# KiCad board 8851_HW-U1-VCU118_REV2-0_071417.kicad_pcb (continued)
## Routing (per net, layer and track width the routed paths; a pad name or vN(x,y) marks a point on that pad's centre or on a via; arc(x,y) is an arc through that point) (continued)
FMCP_HSPC_LA08_N: length 175.5
  TOP w0.102: J22.G13 v3(90.25,163.25) ; v2(123.26,71.7) 122.77,71.2
  16_SIG5 w0.075: v2(123.26,71.7) 123.26,71.38 123.19,71.3 122.89,71.3 122.69,71.1 122.69,70.36 122.93,70.12 134.34,70.12 134.68,70.47 134.68,83.31 134.66,83.32 134.66,84.74 134.68,84.76 134.68,86.17 134.7,86.19 134.7,88.16 134.74,88.2 134.74,88.22
  16_SIG5 w0.087: v3(90.25,163.25) 90.74,163.74 90.74,167.43 91.09,167.78 105.64,167.78 106.34,167.07 107.08,167.07 107.21,167.21 107.21,167.84 107.5,168.14 108.26,168.14 108.56,167.84 108.56,167.21 108.69,167.07 110.54,167.07 110.67,167.21 110.67,167.89 110.96,168.18 115.73,168.18 116.97,166.94 116.97,163.3 117.38,162.89 117.38,162.48 116.8,161.9 116.8,161.78 117.19,161.38 117.32,161.38 117.85,161.92 118.36,161.92 120.44,159.84 120.44,159.48 120.07,159.12 120.07,158.99 120.32,158.75 120.44,158.75 120.81,159.11 121.16,159.11 121.8,158.47 121.8,157.99 121.5,157.69 120.69,157.69 120.49,157.49 120.49,157.23 120.82,156.9 123,156.9 124.4,155.5 124.72,155.5 125.3,154.92 125.3,153.97 126.07,153.2 135.59,153.2 136.18,152.61 136.18,152.15 135.93,151.9 135.16,151.9 135.07,151.81 135.07,151.46 135.16,151.38 135.93,151.38 136.18,151.13 136.18,149.22 135.93,148.98 135.06,148.98 134.97,148.89 134.97,148.54 135.06,148.45 136.12,148.45 136.73,147.84 136.73,145.44 137.43,144.75 137.43,140.28 136.73,139.58 136.73,125.47 135.5,124.24 135.5,117.21 135.63,117.08 136.9,117.08 137.19,116.78 137.19,116.02 136.9,115.73 135.63,115.73 135.5,115.6 135.5,112.11 134.51,111.12 134.51,108.45 135.34,107.62 135.34,103.74 134.15,102.55 134.15,93.14 134.74,92.55 134.74,88.22
FMCP_HSPC_LA08_P: length 175.3
  TOP w0.102: v2(123.26,70.71) 122.77,70.22 ; J22.G12 v3(91.5,163.25)
  16_SIG5 w0.075: 134.46,88.22 134.46,88.2 134.5,88.16 134.5,86.27 134.49,86.25 134.49,84.84 134.47,84.82 134.47,83.24 134.49,83.22 134.49,70.55 134.26,70.32 123.01,70.32 122.89,70.44 122.89,71.02 122.97,71.11 123.19,71.11 123.26,71.03 v2(123.26,70.71)
  16_SIG5 w0.087: 134.46,88.22 134.46,92.44 133.87,93.03 133.87,102.66 135.07,103.86 135.07,107.5 134.24,108.34 134.24,111.23 135.23,112.22 135.23,115.71 135.52,116.01 136.78,116.01 136.91,116.14 136.91,116.67 136.78,116.8 135.52,116.8 135.23,117.09 135.23,124.35 136.46,125.58 136.46,139.7 137.15,140.39 137.15,144.64 136.46,145.33 136.46,147.73 136.01,148.18 134.95,148.18 134.7,148.42 134.7,149 134.95,149.25 135.81,149.25 135.9,149.34 135.9,151.01 135.81,151.1 135.05,151.1 134.8,151.35 134.8,151.93 135.05,152.18 135.81,152.18 135.9,152.26 135.9,152.5 135.47,152.93 125.96,152.93 125.03,153.86 125.03,154.81 124.61,155.23 124.29,155.23 122.89,156.62 120.7,156.62 120.21,157.11 120.21,157.6 120.58,157.97 121.39,157.97 121.53,158.1 121.53,158.36 121.05,158.84 120.92,158.84 120.56,158.47 120.2,158.47 119.8,158.88 119.8,159.23 120.16,159.6 120.16,159.72 118.24,161.64 117.97,161.64 117.43,161.11 117.08,161.11 116.52,161.66 116.52,162.01 117.1,162.59 117.1,162.78 116.7,163.18 116.7,166.83 115.62,167.91 111.08,167.91 110.95,167.78 110.95,167.09 110.65,166.8 108.57,166.8 108.28,167.09 108.28,167.73 108.15,167.86 107.62,167.86 107.49,167.73 107.49,167.09 107.19,166.8 106.23,166.8 105.53,167.5 91.2,167.5 91.01,167.31 91.01,163.63 90.86,163.47 90.86,162.72 90.97,162.6 91.33,162.6 91.5,162.78 v3(91.5,163.25)
FMCP_HSPC_LA09_N: length 169.3
  TOP w0.102: J22.D15 v3(87.75,159.5) ; v2(123.26,74.65) 122.77,74.16
  16_SIG5 w0.075: v2(123.26,74.65) 122.95,74.65 122.87,74.72 122.87,75.88 123.02,76.02 123.5,76.02 123.85,76.38 123.85,81.34 123.84,81.36 123.84,83.17 123.87,83.21 123.87,84.82 123.85,84.84 123.85,86.23 123.84,86.25 123.84,87.66 123.85,87.67 123.85,88.76 123.89,88.8 123.89,88.91
  16_SIG5 w0.087: v3(87.75,159.5) 88.14,159.5 88.29,159.65 88.29,159.82 88.12,159.99 86.3,159.99 86.01,159.7 86.01,152.17 86.1,152.09 86.39,152.09 86.47,152 86.47,151.82 86.39,151.74 86.1,151.74 86.01,151.65 86.01,151.19 86.3,150.9 86.43,150.9 87.03,151.5 87.38,151.5 87.72,151.15 87.72,150.8 87.12,150.2 87.12,150.08 88.67,148.53 96.09,148.53 96.58,148.04 96.58,144.75 97.12,144.2 102.95,144.2 103.22,143.93 103.22,142.43 103.47,142.18 110.67,142.18 110.92,141.93 110.92,141.44 110.67,141.19 104.66,141.19 104.58,141.1 104.58,140.84 104.66,140.75 111.27,140.75 111.35,140.84 111.35,141.93 111.6,142.18 112.28,142.18 112.55,141.9 112.55,138.68 114.17,137.05 114.17,136.57 113.93,136.32 113.21,136.32 113.12,136.24 113.12,135.97 113.21,135.89 113.93,135.89 114.17,135.64 114.17,134.23 116.48,131.92 116.67,131.92 117.48,132.73 117.84,132.73 118.28,132.29 118.28,131.82 117.52,131.06 117.52,130.88 118.4,130 118.4,128.22 118.58,128.05 118.75,128.05 118.95,128.25 118.95,133.73 119.2,133.97 119.71,133.97 120.03,133.66 120.03,133.25 120.11,133.16 120.55,133.16 120.8,132.91 120.8,132.51 120.55,132.26 120.11,132.26 120.03,132.17 120.03,132 120.11,131.91 120.55,131.91 120.8,131.66 120.8,131.26 120.55,131.01 120.11,131.01 120.03,130.92 120.03,130.75 120.11,130.66 120.55,130.66 120.8,130.41 120.8,130.01 120.55,129.76 120.11,129.76 120.03,129.67 120.03,129.5 120.11,129.41 120.55,129.41 120.8,129.16 120.8,128.76 120.55,128.51 120.11,128.51 120.03,128.42 120.03,127.29 119.78,127.04 119.51,127.04 119.42,126.96 119.42,126.78 119.51,126.69 119.78,126.69 120.03,126.44 120.03,126.04 119.78,125.79 119.51,125.79 119.42,125.71 119.42,125.53 119.51,125.44 119.78,125.44 120.03,125.19 120.03,124.79 119.78,124.54 119.51,124.54 119.42,124.46 119.42,124.28 119.51,124.19 119.78,124.19 120.03,123.94 120.03,123 120.38,122.64 120.38,105.55 121.24,104.69 121.24,103.7 120.87,103.33 120.63,103.33 120.43,103.14 120.43,102.57 120.78,102.23 120.78,101.27 120.04,100.53 120.04,99.71 119.5,99.17 119.5,98.64 119.64,98.51 120.06,98.51 120.62,99.07 121.13,99.07 121.75,98.45 121.75,96.89 121.45,96.59 120.21,96.59 120.08,96.46 120.08,95.97 120.21,95.84 121.35,95.84 121.64,95.55 121.64,94.79 121.35,94.49 120.21,94.49 120.08,94.36 120.08,94.07 120.41,93.75 120.78,93.75 121.25,93.27 121.25,92.13 123.89,89.49 123.89,88.91
FMCP_HSPC_LA09_P: length 169.9
  TOP w0.102: J22.D14 v3(89,159.5) ; 121.79,74.16 v2(122.28,74.65)
  TOP w0.15: v2(126.22,58.9) U1.AJ33
  16_SIG5 w0.075: v2(122.28,74.65) 122.6,74.65 122.68,74.72 122.68,75.96 122.94,76.22 123.42,76.22 123.66,76.46 123.66,81.26 123.64,81.28 123.64,83.25 123.68,83.29 123.68,84.74 123.66,84.75 123.66,86.15 123.64,86.17 123.64,87.74 123.66,87.76 123.66,88.86 123.62,88.9 123.62,88.91
  16_SIG5 w0.087: v3(89,159.5) 88.24,160.26 87.89,160.26 86.18,160.26 85.74,159.82 85.74,151.07 86.19,150.62 86.54,150.62 87.14,151.22 87.26,151.22 87.45,151.04 87.45,150.91 86.85,150.31 86.85,149.96 88.56,148.25 95.97,148.25 96.3,147.93 96.3,144.64 97.01,143.93 102.84,143.93 102.95,143.81 102.95,142.31 103.36,141.9 110.55,141.9 110.64,141.81 110.64,141.55 110.55,141.46 104.55,141.46 104.3,141.21 104.3,140.72 104.55,140.48 111.38,140.48 111.63,140.72 111.63,141.81 111.72,141.9 112.16,141.9 112.28,141.79 112.28,138.56 113.9,136.94 113.9,136.69 113.81,136.6 113.1,136.6 112.85,136.35 112.85,135.86 113.1,135.61 113.81,135.61 113.9,135.52 113.9,134.11 116.36,131.65 116.78,131.65 117.59,132.46 117.73,132.46 118.01,132.18 118.01,131.94 117.25,131.18 117.25,130.76 118.12,129.89 118.12,128.11 118.46,127.77 118.86,127.77 119.22,128.14 119.22,133.61 119.31,133.7 119.6,133.7 119.75,133.55 119.75,133.13 120,132.88 120.44,132.88 120.53,132.8 120.53,132.62 120.44,132.53 120,132.53 119.75,132.29 119.75,131.88 120,131.63 120.44,131.63 120.53,131.55 120.53,131.37 120.44,131.28 120,131.28 119.75,131.04 119.75,130.63 120,130.38 120.44,130.38 120.53,130.3 120.53,130.12 120.44,130.03 120,130.03 119.75,129.79 119.75,129.38 120,129.13 120.44,129.13 120.53,129.05 120.53,128.87 120.44,128.78 120,128.78 119.75,128.54 119.75,127.41 119.66,127.32 119.4,127.32 119.15,127.07 119.15,126.67 119.4,126.42 119.66,126.42 119.75,126.33 119.75,126.16 119.66,126.07 119.4,126.07 119.15,125.82 119.15,125.42 119.4,125.17 119.66,125.17 119.75,125.08 119.75,124.91 119.66,124.82 119.4,124.82 119.15,124.57 119.15,124.17 119.4,123.92 119.66,123.92 119.75,123.83 119.75,122.88 120.1,122.53 120.1,105.44 120.97,104.57 120.97,103.81 120.76,103.61 120.51,103.61 120.16,103.25 120.16,102.46 120.5,102.11 120.5,101.39 119.76,100.65 119.76,99.82 119.23,99.29 119.23,98.53 119.52,98.23 120.17,98.23 120.73,98.79 121.01,98.79 121.47,98.33 121.47,97.01 121.33,96.87 120.1,96.87 119.81,96.57 119.81,95.86 120.1,95.56 121.23,95.56 121.37,95.43 121.37,94.9 121.23,94.77 120.1,94.77 119.81,94.48 119.81,93.96 120.29,93.47 120.66,93.47 120.98,93.16 120.98,92.01 123.62,89.37 123.62,88.91
FMCP_HSPC_LA10_N: length 164.8
  TOP w0.102: 127.69,76.12 v2(128.19,76.62) ; J22.C15 v3(87.75,158.25)
  16_SIG5 w0.075: 124.9,88.32 124.9,88.3 124.86,88.26 124.86,86.14 124.84,86.12 124.84,84.74 124.82,84.72 124.82,82.82 124.86,82.79 124.86,81.27 124.84,81.25 124.84,77.44 125.07,77.21 127.54,77.21 127.72,77.02 127.72,76.7 127.81,76.62 v2(128.19,76.62)
  16_SIG5 w0.087: v3(87.75,158.25) 87.75,157.78 87.91,157.62 88.14,157.62 88.28,157.76 88.28,158.59 88.12,158.74 87.4,158.74 87.26,158.61 87.26,152.79 87.5,152.55 88.35,152.55 88.6,152.3 88.6,149.9 89.08,149.43 102.36,149.43 102.61,149.18 102.61,148.69 102.36,148.44 97.54,148.44 97.45,148.35 97.45,148.09 97.54,148 102.36,148 102.61,147.75 102.61,147.26 102.36,147.01 97.54,147.01 97.45,146.93 97.45,146.66 97.54,146.58 102.36,146.58 102.61,146.33 102.61,145.84 102.36,145.59 97.54,145.59 97.45,145.5 97.45,145.24 97.54,145.15 102.96,145.15 103.05,145.24 103.05,149.18 103.3,149.43 103.8,149.43 104.1,149.13 104.1,143.68 104.73,143.05 113.18,143.05 113.42,142.8 113.42,139.15 114.08,138.49 114.38,138.49 114.63,138.24 114.63,137.91 114.71,137.83 114.98,137.83 115.06,137.91 115.06,138.24 115.31,138.49 117.68,138.49 119.83,136.35 119.83,136.01 120.18,135.65 120.18,135.3 119.96,135.08 119.96,134.95 120.15,134.77 120.27,134.77 120.49,134.99 120.85,134.99 121.72,134.11 121.72,131.69 121.81,131.61 122,131.61 122.25,131.36 122.25,130.87 122,130.62 121.81,130.62 121.72,130.53 121.72,130.27 121.81,130.18 122,130.18 122.25,129.93 122.25,129.44 122,129.19 121.81,129.19 121.72,129.11 121.72,127.86 120.9,127.04 120.9,123.4 121.29,123.02 121.29,116.46 121.86,115.89 121.86,109.53 121.33,109 121.33,106.14 122.75,104.72 122.75,103.17 121.69,102.11 121.69,99.83 122.7,98.82 122.7,91.92 124.9,89.72 124.9,88.32
FMCP_HSPC_LA10_P: length 164.2
  TOP w0.102: v2(127.2,76.62) 126.71,76.12 ; J22.C14 v3(89,158.25)
  16_SIG5 w0.075: v2(127.2,76.62) 127.47,76.62 127.53,76.68 127.53,76.94 127.45,77.01 124.99,77.01 124.64,77.36 124.64,81.33 124.66,81.35 124.66,82.7 124.63,82.74 124.63,84.8 124.64,84.82 124.64,86.2 124.66,86.22 124.66,88.26 124.62,88.3 124.62,88.32
  16_SIG5 w0.087: 124.62,88.32 124.62,89.6 122.42,91.8 122.42,98.7 121.41,99.71 121.41,102.22 122.47,103.29 122.47,104.6 121.05,106.03 121.05,109.11 121.58,109.64 121.58,115.78 121.01,116.35 121.01,122.9 120.62,123.29 120.62,127.15 121.45,127.97 121.45,129.22 121.7,129.47 121.89,129.47 121.97,129.56 121.97,129.82 121.89,129.91 121.7,129.91 121.45,130.16 121.45,130.65 121.7,130.89 121.89,130.89 121.97,130.98 121.97,131.24 121.89,131.33 121.7,131.33 121.45,131.58 121.45,134 120.73,134.72 120.61,134.72 120.38,134.49 120.03,134.49 119.69,134.84 119.69,135.19 119.91,135.42 119.91,135.54 119.55,135.9 119.55,136.23 117.57,138.22 115.43,138.22 115.34,138.13 115.34,137.8 115.09,137.55 114.6,137.55 114.35,137.8 114.35,138.13 114.26,138.22 113.97,138.22 113.15,139.04 113.15,142.69 113.06,142.78 104.61,142.78 103.83,143.56 103.83,149.01 103.69,149.15 103.41,149.15 103.33,149.06 103.33,145.12 103.08,144.88 97.42,144.88 97.17,145.12 97.17,145.61 97.42,145.86 102.25,145.86 102.34,145.95 102.34,146.21 102.25,146.3 97.42,146.3 97.17,146.55 97.17,147.04 97.42,147.29 102.25,147.29 102.34,147.38 102.34,147.64 102.25,147.73 97.42,147.73 97.17,147.97 97.17,148.46 97.42,148.71 102.25,148.71 102.34,148.8 102.34,149.06 102.25,149.15 88.96,149.15 88.33,149.79 88.33,152.19 88.24,152.28 87.39,152.28 86.99,152.67 86.99,158.72 87.28,159.01 88.01,159.01 88.24,159.01 88.57,158.68 88.64,158.61 v3(89,158.25)
FMCP_HSPC_LA11_N: length 174.1
  TOP w0.102: J22.H17 v3(85.25,164.5) ; 121.79,72.19 v2(122.28,72.68)
  16_SIG5 w0.075: 135.69,88.37 135.69,88.36 135.65,88.32 135.65,86.18 135.67,86.16 135.67,84.91 135.68,84.89 135.68,83.18 135.67,83.16 135.67,69.48 135.32,69.14 122.04,69.14 121.69,69.48 121.69,71.96 122.02,72.29 122.21,72.29 122.28,72.36 v2(122.28,72.68)
  16_SIG5 w0.087: v3(85.25,164.5) 85.74,164.99 85.74,168.59 86.16,169.01 106.55,169.01 106.79,169.26 117.52,169.26 120.05,166.73 120.4,166.73 121.62,165.5 121.62,161.18 123.28,159.53 123.28,157.96 124.73,156.5 125.75,156.5 126.17,156.08 126.17,155.55 126.97,154.75 126.97,154.45 127.28,154.15 137.21,154.15 137.6,153.76 137.6,152.42 138.55,151.47 138.55,150.89 138.3,150.64 137.81,150.64 137.55,150.39 137.55,148.56 137.64,148.47 137.64,146.16 138.3,145.5 138.3,139.7 137.64,139.04 137.64,124.69 138.27,124.06 138.27,111.85 136.42,110 136.42,103.41 135.01,102 135.01,93.5 135.69,92.83 135.69,88.37
FMCP_HSPC_LA11_P: length 173.6
  TOP w0.102: J22.H16 v3(86.5,164.5) ; 121.79,71.2 v2(122.28,71.7)
  16_SIG5 w0.075: 135.41,88.37 135.41,88.36 135.45,88.32 135.45,86.1 135.47,86.08 135.47,84.83 135.49,84.81 135.49,83.26 135.47,83.24 135.47,69.56 135.24,69.33 122.12,69.33 121.89,69.56 121.89,71.88 122.1,72.09 122.21,72.09 122.28,72.02 v2(122.28,71.7)
  16_SIG5 w0.087: 135.41,88.37 135.41,92.71 134.74,93.39 134.74,102.12 136.15,103.53 136.15,110.11 137.99,111.96 137.99,123.95 137.36,124.57 137.36,139.15 138.03,139.81 138.03,145.39 137.36,146.05 137.36,148.36 137.28,148.45 137.28,150.5 137.69,150.92 138.19,150.92 138.28,151.01 138.28,151.36 137.32,152.31 137.32,153.65 137.1,153.88 127.16,153.88 126.7,154.34 126.7,154.64 125.9,155.44 125.9,155.96 125.64,156.23 124.62,156.23 123,157.84 123,159.41 121.35,161.06 121.35,165.39 120.29,166.45 119.94,166.45 117.4,168.98 106.91,168.98 106.66,168.74 86.28,168.74 86.01,168.47 86.01,163.94 86.11,163.84 86.36,163.84 86.5,163.98 v3(86.5,164.5)
FMCP_HSPC_LA12_N: length 169.1
  TOP w0.102: 120.8,75.14 v2(121.3,75.63) ; J22.G16 v3(86.5,163.25)
  16_SIG5 w0.075: v2(121.3,75.63) 121.3,75.31 121.37,75.24 121.48,75.24 121.69,75.45 121.69,81.14 121.67,81.16 121.67,82.92 121.69,82.93 121.69,86.05 121.67,86.07 121.67,88.34 121.63,88.38 121.63,88.4
  16_SIG5 w0.087: 121.63,88.4 121.63,88.75 120.32,90.06 118.99,90.06 118.7,90.36 118.7,92.46 118.52,92.64 118.13,92.64 117.91,92.42 117.91,90.36 117.61,90.06 116.3,90.06 115.94,90.43 115.94,90.84 116.22,91.12 116.22,91.31 115.84,91.69 115.65,91.69 115.37,91.41 114.96,91.41 114.07,92.3 114.07,95.15 115.21,96.29 115.21,98.44 116.74,99.97 116.74,100.48 118.29,102.02 118.29,108.73 117.33,109.7 117.33,126.1 116.31,127.11 116.31,128.58 108.14,136.75 107.19,136.75 106.94,137 106.94,138.31 106.85,138.4 106.59,138.4 106.5,138.31 106.5,137.02 106.26,136.78 105.52,136.78 104.57,137.73 104.57,138.08 104.85,138.36 104.85,138.48 104.67,138.67 104.54,138.67 104.26,138.39 103.91,138.39 102.32,139.98 101.33,139.98 101.08,140.22 101.08,141.91 100.99,142 100.73,142 100.64,141.91 100.64,140.22 100.39,139.98 99.9,139.98 99.65,140.22 99.65,141.91 99.57,142 99.3,142 99.22,141.91 99.22,140.22 98.97,139.98 98.31,139.98 97.51,140.77 97.51,141.12 98.1,141.71 98.1,141.84 97.92,142.02 97.79,142.02 97.2,141.43 96.85,141.43 94.47,143.81 94.47,145.94 93.99,146.43 87.51,146.43 85.26,148.68 71.39,148.68 71.01,149.05 71.01,151.34 70.87,151.47 70.44,151.47 70.15,151.77 70.15,152.46 70.46,152.76 82.99,152.76 83.24,153.01 83.24,162.32 83.68,162.76 86.87,162.76 87.04,162.93 87.04,163.12 86.91,163.25 v3(86.5,163.25)
FMCP_HSPC_LA12_P: length 169.1
  TOP w0.102: J22.G15 v3(87.75,163.25) ; 120.8,74.16 v2(121.3,74.65)
  16_SIG5 w0.075: 121.91,88.4 121.91,88.38 121.87,88.34 121.87,86.15 121.89,86.13 121.89,82.85 121.87,82.83 121.87,81.24 121.89,81.22 121.89,75.37 121.56,75.04 121.37,75.04 121.3,74.97 v2(121.3,74.65)
  16_SIG5 w0.087: 121.91,88.4 121.91,88.86 120.43,90.34 119.11,90.34 118.98,90.47 118.98,92.58 118.64,92.92 118.01,92.92 117.63,92.53 117.63,90.47 117.5,90.34 116.41,90.34 116.21,90.54 116.21,90.73 116.49,91.01 116.49,91.43 115.96,91.96 115.54,91.96 115.26,91.68 115.07,91.68 114.34,92.41 114.34,95.04 115.49,96.18 115.49,98.33 117.02,99.86 117.02,100.36 118.56,101.91 118.56,108.85 117.6,109.81 117.6,126.21 116.59,127.23 116.59,128.69 108.25,137.03 107.3,137.03 107.22,137.11 107.22,138.43 106.97,138.68 106.48,138.68 106.23,138.43 106.23,137.14 106.14,137.05 105.64,137.05 104.85,137.84 104.85,137.96 105.13,138.24 105.13,138.6 104.78,138.94 104.43,138.94 104.15,138.66 104.03,138.66 102.44,140.25 101.44,140.25 101.35,140.34 101.35,142.03 101.11,142.28 100.62,142.28 100.37,142.03 100.37,140.34 100.28,140.25 100.02,140.25 99.93,140.34 99.93,142.03 99.68,142.28 99.19,142.28 98.94,142.03 98.94,140.34 98.85,140.25 98.42,140.25 97.79,140.89 97.79,141.01 98.38,141.6 98.38,141.95 98.03,142.3 97.68,142.3 97.09,141.71 96.97,141.71 94.75,143.93 94.75,146.05 94.1,146.7 87.62,146.7 85.38,148.95 71.5,148.95 71.28,149.17 71.28,151.45 70.99,151.75 70.56,151.75 70.42,151.88 70.42,152.34 70.57,152.49 83.11,152.49 83.51,152.9 83.51,162.2 83.8,162.49 86.99,162.49 v3(87.75,163.25)
FMCP_HSPC_LA13_N: length 167.5
  TOP w0.102: J22.D18 v3(84,159.5) ; 121.79,77.11 v2(122.28,77.6)
  TOP w0.375: U1.AJ36 v2(129.17,58.9)
  16_SIG5 w0.075: 122.64,88.91 122.64,88.9 122.68,88.86 122.68,87.64 122.69,87.62 122.69,86.27 122.68,86.25 122.68,84.87 122.66,84.85 122.66,82.72 122.69,82.69 122.69,81.36 122.68,81.34 122.68,77.42 122.46,77.21 122.36,77.21 122.28,77.28 v2(122.28,77.6)
  16_SIG5 w0.087: v3(84,159.5) 84.49,159.01 84.49,152.59 83.7,151.8 72.3,151.8 71.93,151.43 71.93,150.95 72.19,150.7 72.9,150.7 72.99,150.61 72.99,149.8 73.24,149.55 73.73,149.55 73.97,149.8 73.97,150.61 74.06,150.7 74.32,150.7 74.41,150.61 74.41,149.8 74.66,149.55 75.15,149.55 75.4,149.8 75.4,150.61 75.49,150.7 75.75,150.7 75.84,150.61 75.84,149.8 76.09,149.55 76.58,149.55 76.82,149.8 76.82,150.61 76.91,150.7 77.17,150.7 77.26,150.61 77.26,149.8 77.51,149.55 78,149.55 78.25,149.8 78.25,150.61 78.34,150.7 78.6,150.7 78.69,150.61 78.69,149.8 78.94,149.55 79.43,149.55 79.67,149.8 79.67,150.61 79.76,150.7 80.02,150.7 80.11,150.61 80.11,149.8 80.36,149.55 80.85,149.55 81.1,149.8 81.1,150.61 81.19,150.7 81.45,150.7 81.54,150.61 81.54,149.8 81.79,149.55 82.28,149.55 82.52,149.8 82.52,150.61 82.61,150.7 82.87,150.7 82.96,150.61 82.96,149.8 83.21,149.55 83.7,149.55 83.95,149.8 83.95,150.61 84.04,150.7 84.66,150.7 88.01,147.35 94.91,147.35 95.42,146.84 95.42,144.21 96.61,143.03 101.69,143.03 102.03,142.69 102.03,141.75 104.2,139.58 107.14,139.58 109.07,137.64 109.42,137.64 110.35,138.57 110.47,138.57 110.66,138.38 110.66,138.26 109.73,137.33 109.73,136.98 110.08,136.63 110.43,136.63 111.6,137.81 111.73,137.81 111.89,137.65 111.89,137.47 110.74,136.32 110.74,135.97 111.22,135.49 111.57,135.49 111.72,135.64 111.85,135.64 112.03,135.45 112.03,135.33 111.88,135.18 111.88,134.83 117.21,129.5 117.21,127.55 118.22,126.54 118.22,123.1 119.2,122.13 119.2,121.7 119.06,121.57 118.57,121.57 118.28,121.28 118.28,120.52 118.57,120.22 119.06,120.22 119.2,120.09 119.2,118.21 119.06,118.08 118.59,118.08 118.3,117.78 118.3,117.03 118.59,116.73 119.06,116.73 119.2,116.6 119.2,115.39 119.1,115.29 118.85,115.29 118.57,115.01 118.57,114.63 118.86,114.34 119.06,114.34 119.22,114.17 119.22,113.26 119.06,113.1 118.67,113.1 118.41,112.83 118.41,112.36 118.7,112.07 119.06,112.07 119.2,111.94 119.2,101.51 118.31,100.62 118.31,99.66 118.18,99.52 117.64,99.52 117.35,99.23 117.35,98.47 117.64,98.18 118.18,98.18 118.31,98.05 118.31,97.38 118.1,97.17 116.48,97.17 116.21,96.9 116.21,96.2 116.51,95.9 118.18,95.9 118.31,95.77 118.31,94.17 119.75,92.73 119.75,91.4 120.13,91.02 120.7,91.02 122.64,89.09 122.64,88.91
FMCP_HSPC_LA13_P: length 168.3
  TOP w0.102: 121.79,76.12 v2(122.28,76.62) ; J22.D17 v3(85.25,159.5)
  16_SIG5 w0.075: 122.91,88.91 122.91,88.9 122.87,88.86 122.87,87.72 122.89,87.7 122.89,86.19 122.87,86.17 122.87,84.78 122.85,84.77 122.85,82.81 122.89,82.77 122.89,81.27 122.87,81.26 122.87,77.34 122.54,77.01 122.36,77.01 122.28,76.94 v2(122.28,76.62)
  16_SIG5 w0.087: 122.91,88.91 122.91,89.2 120.82,91.3 120.25,91.3 120.02,91.52 120.02,92.84 118.58,94.28 118.58,95.88 118.29,96.18 116.62,96.18 116.49,96.31 116.49,96.78 116.6,96.89 118.21,96.89 118.58,97.27 118.58,98.16 118.29,98.45 117.75,98.45 117.62,98.59 117.62,99.12 117.75,99.25 118.29,99.25 118.58,99.54 118.58,100.51 119.47,101.39 119.47,112.05 119.18,112.34 118.81,112.34 118.68,112.48 118.68,112.72 118.79,112.83 119.17,112.83 119.5,113.15 119.5,114.29 119.18,114.61 118.98,114.61 118.85,114.74 118.85,114.9 118.96,115.01 119.21,115.01 119.47,115.27 119.47,116.71 119.18,117.01 118.71,117.01 118.57,117.14 118.57,117.67 118.71,117.8 119.18,117.8 119.47,118.1 119.47,120.21 119.18,120.5 118.68,120.5 118.55,120.63 118.55,121.16 118.68,121.29 119.18,121.29 119.47,121.59 119.47,122.24 118.5,123.22 118.5,126.66 117.49,127.67 117.49,129.61 112.16,134.94 112.16,135.07 112.31,135.22 112.31,135.57 111.96,135.91 111.61,135.91 111.46,135.76 111.34,135.76 111.01,136.09 111.01,136.21 112.16,137.36 112.16,137.76 111.84,138.08 111.49,138.08 110.32,136.91 110.19,136.91 110.01,137.09 110.01,137.22 110.93,138.14 110.93,138.49 110.58,138.84 110.23,138.84 109.31,137.92 109.18,137.92 107.25,139.85 104.31,139.85 102.3,141.86 102.3,142.8 101.8,143.3 96.72,143.3 95.7,144.33 95.7,146.95 95.03,147.62 88.12,147.62 84.78,150.98 83.92,150.98 83.67,150.73 83.67,149.91 83.59,149.83 83.32,149.83 83.24,149.91 83.24,150.73 82.99,150.98 82.5,150.98 82.25,150.73 82.25,149.91 82.16,149.83 81.9,149.83 81.81,149.91 81.81,150.73 81.56,150.98 81.07,150.98 80.82,150.73 80.82,149.91 80.74,149.83 80.47,149.83 80.39,149.91 80.39,150.73 80.14,150.98 79.65,150.98 79.4,150.73 79.4,149.91 79.31,149.83 79.05,149.83 78.96,149.91 78.96,150.73 78.71,150.98 78.22,150.98 77.97,150.73 77.97,149.91 77.89,149.83 77.62,149.83 77.54,149.91 77.54,150.73 77.29,150.98 76.8,150.98 76.55,150.73 76.55,149.91 76.46,149.83 76.2,149.83 76.11,149.91 76.11,150.73 75.86,150.98 75.37,150.98 75.12,150.73 75.12,149.91 75.04,149.83 74.77,149.83 74.69,149.91 74.69,150.73 74.44,150.98 73.95,150.98 73.7,150.73 73.7,149.91 73.61,149.83 73.35,149.83 73.26,149.91 73.26,150.73 73.01,150.98 72.3,150.98 72.21,151.07 72.21,151.32 72.42,151.53 83.81,151.53 84.76,152.48 84.76,159.13 84.53,159.36 84.53,159.74 84.62,159.83 85.16,159.83 85.25,159.74 v3(85.25,159.5)
FMCP_HSPC_LA14_N: length 173.5
  TOP w0.102: J22.C19 v3(82.75,158.25) ; 120.8,72.19 v2(121.3,72.68)
  14_SIG4 w0.075: v2(121.3,72.68) 120.98,72.68 120.9,72.75 120.9,72.94 120.57,73.27 118.18,73.27 117.95,73.5 117.95,81.03 117.93,81.04 117.93,82.93 117.95,82.95 117.95,83.95 117.97,83.97 117.97,86.08 117.93,86.12 117.93,87.63 118.64,88.35 118.77,88.35 119.34,88.91 119.64,88.91 120.03,89.3 120.08,89.3
  14_SIG4 w0.087: v3(82.75,158.25) 83.51,159.01 84.29,159.01 84.76,158.54 84.76,151.95 85.23,151.48 86.14,151.48 86.24,151.58 86.24,152.08 86.57,152.41 87.86,152.41 88.11,152.16 88.11,150.51 88.19,150.43 88.54,150.43 88.63,150.51 88.63,152.16 88.88,152.41 89.46,152.41 89.71,152.16 89.71,150.51 89.79,150.43 90.14,150.43 90.23,150.51 90.23,152.16 90.48,152.41 91.06,152.41 91.31,152.16 91.31,150.51 91.39,150.43 91.74,150.43 91.83,150.51 91.83,152.16 92.08,152.41 92.66,152.41 92.91,152.16 92.91,150.51 92.99,150.43 93.34,150.43 93.43,150.51 93.43,152.16 93.68,152.41 94.26,152.41 94.51,152.16 94.51,150.51 94.59,150.43 94.94,150.43 95.03,150.51 95.03,152.16 95.28,152.41 95.86,152.41 96.11,152.16 96.11,150.51 96.19,150.43 96.54,150.43 96.63,150.51 96.63,152.16 96.88,152.41 97.46,152.41 97.71,152.16 97.71,150.51 97.79,150.43 98.14,150.43 98.23,150.51 98.23,152.16 98.48,152.41 99.06,152.41 99.31,152.16 99.31,150.51 99.39,150.43 99.74,150.43 99.83,150.51 99.83,152.16 100.08,152.41 101.69,152.41 101.95,152.14 101.95,151.58 102.05,151.48 113.13,151.48 118.28,146.34 123.56,146.34 125.46,144.44 126.4,144.44 129.42,141.42 129.42,135.52 129.7,135.24 130.42,135.24 131.16,134.5 131.16,133.91 130.89,133.64 130.1,133.64 130,133.54 130,133.12 130.1,133.02 130.89,133.02 131.16,132.75 131.16,132.09 130.89,131.82 130.1,131.82 130,131.72 130,131.3 130.1,131.2 130.89,131.2 131.16,130.93 131.16,130.28 130.89,130.01 130.1,130.01 130,129.91 130,128.81 129.34,128.14 129.34,127.19 128.86,126.72 128.86,120.56 129.24,120.18 129.24,119.32 127.99,118.07 127.99,112.08 128.8,111.27 128.8,106.38 127.67,105.25 127.67,96.89 120.08,89.3
FMCP_HSPC_LA14_P: length 173.6
  TOP w0.102: J22.C18 v3(84,158.25) ; 119.82,72.19 v2(120.31,72.68)
  14_SIG4 w0.075: 119.9,89.51 119.9,89.45 119.56,89.11 119.26,89.11 118.69,88.54 118.56,88.54 117.74,87.72 117.74,86.04 117.77,86 117.77,84.05 117.75,84.03 117.75,83.03 117.74,83.01 117.74,80.96 117.75,80.95 117.75,73.42 118.1,73.07 120.49,73.07 120.71,72.86 120.71,72.75 120.63,72.68 v2(120.31,72.68)
  14_SIG4 w0.087: 119.9,89.51 127.4,97 127.4,105.36 128.53,106.49 128.53,111.15 127.71,111.96 127.71,118.18 128.96,119.43 128.96,120.07 128.59,120.44 128.59,126.83 129.06,127.31 129.06,128.26 129.72,128.92 129.72,130.02 129.99,130.28 130.77,130.28 130.88,130.39 130.88,130.82 130.77,130.93 129.99,130.93 129.72,131.19 129.72,131.84 129.99,132.1 130.77,132.1 130.88,132.2 130.88,132.63 130.77,132.74 129.99,132.74 129.72,133 129.72,133.65 129.99,133.91 130.77,133.91 130.88,134.02 130.88,134.39 130.31,134.96 129.58,134.96 129.14,135.4 129.14,141.31 126.29,144.16 125.35,144.16 123.45,146.06 118.17,146.06 113.02,151.21 101.94,151.21 101.68,151.47 101.68,152.02 101.57,152.13 100.19,152.13 100.11,152.04 100.11,150.4 99.86,150.15 99.28,150.15 99.03,150.4 99.03,152.04 98.94,152.13 98.59,152.13 98.51,152.04 98.51,150.4 98.26,150.15 97.68,150.15 97.43,150.4 97.43,152.04 97.34,152.13 96.99,152.13 96.91,152.04 96.91,150.4 96.66,150.15 96.08,150.15 95.83,150.4 95.83,152.04 95.74,152.13 95.39,152.13 95.31,152.04 95.31,150.4 95.06,150.15 94.48,150.15 94.23,150.4 94.23,152.04 94.14,152.13 93.79,152.13 93.71,152.04 93.71,150.4 93.46,150.15 92.88,150.15 92.63,150.4 92.63,152.04 92.54,152.13 92.19,152.13 92.11,152.04 92.11,150.4 91.86,150.15 91.28,150.15 91.03,150.4 91.03,152.04 90.94,152.13 90.59,152.13 90.51,152.04 90.51,150.4 90.26,150.15 89.68,150.15 89.43,150.4 89.43,152.04 89.34,152.13 88.99,152.13 88.91,152.04 88.91,150.4 88.66,150.15 88.08,150.15 87.83,150.4 87.83,152.04 87.74,152.13 86.68,152.13 86.51,151.96 86.51,151.47 86.25,151.21 85.12,151.21 84.49,151.84 84.49,158.43 84.17,158.74 83.63,158.74 83.39,158.51 83.39,158.06 83.6,157.85 83.9,157.85 84,157.95 v3(84,158.25)
FMCP_HSPC_LA15_N: length 169.6
  TOP w0.102: 119.82,74.16 v2(120.31,74.65) ; J22.H20 v3(81.5,164.5)
  16_SIG5 w0.075: 116.78,74.29 116.8,74.29 116.84,74.25 120.24,74.25 120.31,74.33 v2(120.31,74.65)
  16_SIG5 w0.087: v3(81.5,164.5) 81.92,164.5 82.05,164.64 82.05,164.81 81.87,164.99 81.27,164.99 81.01,164.73 81.01,155.41 80.59,154.99 66.26,154.99 66.01,154.74 66.01,153.01 67.33,151.69 68.17,151.69 68.53,151.34 68.53,147.15 69.62,146.05 70,146.05 70.09,146.14 70.09,146.93 70.34,147.18 70.91,147.18 71.16,146.93 71.16,146.14 71.25,146.05 71.6,146.05 71.69,146.14 71.69,146.93 71.94,147.18 72.51,147.18 72.76,146.93 72.76,146.14 72.85,146.05 85.55,146.05 86.83,144.78 91.19,144.78 91.53,144.44 91.53,144.08 91.09,143.65 91.09,143.52 91.34,143.28 91.46,143.28 91.9,143.71 92.25,143.71 92.66,143.3 92.66,142.95 92.22,142.52 92.22,142.39 92.47,142.14 92.59,142.14 93.03,142.58 93.38,142.58 93.79,142.17 93.79,141.82 93.35,141.38 93.35,141.26 93.6,141.01 93.72,141.01 94.16,141.45 94.51,141.45 94.92,141.04 94.92,140.69 94.49,140.25 94.49,140.13 94.73,139.88 94.86,139.88 95.29,140.32 95.65,140.32 96.05,139.91 96.05,139.56 95.62,139.12 95.62,139 95.86,138.75 95.99,138.75 96.43,139.19 96.78,139.19 97.44,138.52 101.54,138.52 104.79,135.28 107.4,135.28 114.7,127.97 114.7,124.97 115,124.67 115,123.67 115.76,122.91 115.76,108.94 116.65,108.05 116.65,104.12 113.97,101.43 113.97,99.67 112.54,98.24 112.54,95.82 111.92,95.2 111.92,90.14 111.34,89.57 111.34,88.81 111.65,88.5 115.82,88.5 116.18,88.14 116.18,76.62 116.27,76.53 116.58,76.53 116.66,76.44 116.66,76.18 116.58,76.09 116.27,76.09 116.18,76 116.18,75.74 116.27,75.65 116.58,75.65 116.66,75.57 116.66,75.3 116.58,75.22 116.27,75.22 116.18,75.13 116.18,74.73 116.62,74.29 116.78,74.29
FMCP_HSPC_LA15_P: length 169
  TOP w0.102: J22.H19 v3(82.75,164.5) ; 119.82,73.17 v2(120.31,73.66)
  16_SIG5 w0.075: 116.78,74.02 116.8,74.02 116.84,74.06 119.92,74.06 v2(120.31,73.66)
  16_SIG5 w0.087: v3(82.75,164.5) 81.99,165.26 81.15,165.26 80.74,164.85 80.74,155.52 80.48,155.26 66.15,155.26 65.74,154.85 65.74,152.9 67.22,151.42 68.06,151.42 68.25,151.22 68.25,147.04 69.51,145.78 70.11,145.78 70.36,146.02 70.36,146.81 70.45,146.9 70.8,146.9 70.89,146.81 70.89,146.02 71.14,145.78 71.71,145.78 71.96,146.02 71.96,146.81 72.05,146.9 72.4,146.9 72.49,146.81 72.49,146.02 72.74,145.78 85.44,145.78 86.71,144.5 91.07,144.5 91.25,144.32 91.25,144.2 90.82,143.76 90.82,143.41 91.22,143 91.58,143 92.01,143.44 92.14,143.44 92.38,143.19 92.38,143.07 91.95,142.63 91.95,142.28 92.36,141.87 92.71,141.87 93.14,142.31 93.27,142.31 93.52,142.06 93.52,141.94 93.08,141.5 93.08,141.15 93.49,140.74 93.84,140.74 94.28,141.18 94.4,141.18 94.65,140.93 94.65,140.8 94.21,140.37 94.21,140.01 94.62,139.61 94.97,139.61 95.41,140.04 95.53,140.04 95.78,139.8 95.78,139.67 95.34,139.24 95.34,138.88 95.75,138.47 96.1,138.47 96.54,138.91 96.66,138.91 97.33,138.25 101.43,138.25 104.67,135 107.29,135 114.42,127.86 114.42,124.85 114.72,124.55 114.72,123.56 114.93,123.36 115.49,122.8 115.49,108.83 116.38,107.94 116.38,104.23 113.69,101.55 113.69,99.78 112.26,98.35 112.26,95.93 111.64,95.31 111.64,90.26 111.07,89.68 111.07,88.7 111.54,88.23 115.71,88.23 115.91,88.03 115.91,74.62 116.5,74.02 116.78,74.02
FMCP_HSPC_LA16_N: length 169.8
  TOP w0.102: J22.G19 v3(82.75,163.25) ; 120.8,76.12 v2(121.3,76.62)
  16_SIG5 w0.075: 120.96,88.29 120.96,88.27 120.92,88.23 120.92,86.11 120.9,86.09 120.9,82.89 120.92,82.87 120.92,81.23 120.9,81.21 120.9,76.69 120.98,76.62 v2(121.3,76.62)
  16_SIG5 w0.087: 120.96,88.29 120.96,88.53 120.01,89.48 119.12,89.48 118.83,89.18 118.83,88.46 118.7,88.33 118.43,88.33 118.3,88.46 118.3,89.18 118.01,89.48 115.95,89.48 114.91,90.52 114.49,90.52 113.36,89.38 112.99,89.38 112.77,89.59 112.77,89.84 113.93,91 113.93,91.49 113.42,92 113.42,95.42 113.98,95.98 113.98,98.39 115.54,99.95 115.54,101.13 116.52,102.11 116.9,102.11 117.59,102.8 117.59,108.4 116.68,109.31 116.68,125.84 115.68,126.83 115.68,128.29 107.83,136.15 105.24,136.15 102,139.39 97.89,139.39 92.84,144.43 92.84,144.56 93.42,145.13 93.42,145.48 93.07,145.83 92.72,145.83 92.14,145.26 92.02,145.26 91.53,145.75 87.2,145.75 84.88,148.08 83.8,148.08 83.55,147.83 83.55,147.01 83.46,146.93 83.11,146.93 83.03,147.01 83.03,147.83 82.78,148.08 82.2,148.08 81.95,147.83 81.95,147.01 81.86,146.93 81.51,146.93 81.43,147.01 81.43,147.83 81.18,148.08 80.6,148.08 80.35,147.83 80.35,147.01 80.26,146.93 79.91,146.93 79.83,147.01 79.83,147.83 79.58,148.08 79,148.08 78.75,147.83 78.75,147.01 78.66,146.93 78.31,146.93 78.23,147.01 78.23,147.83 77.98,148.08 77.4,148.08 77.15,147.83 77.15,147.01 77.06,146.93 76.71,146.93 76.63,147.01 76.63,147.83 76.38,148.08 75.8,148.08 75.55,147.83 75.55,147.01 75.46,146.93 75.11,146.93 75.03,147.01 75.03,147.83 74.78,148.08 70.58,148.08 69.47,149.18 69.47,150.8 69.56,150.89 69.82,150.89 69.93,150.99 69.93,151.14 69.84,151.23 69.56,151.23 69.47,151.31 69.47,152.33 69.19,152.62 67.7,152.62 67.26,153.05 67.26,153.47 67.54,153.74 81.86,153.74 82.26,154.14 82.26,163.54 82.46,163.74 83.12,163.74 83.42,163.44 83.42,163.08 83.26,162.91 82.85,162.91 82.75,163.01 v3(82.75,163.25)
FMCP_HSPC_LA16_P: length 169.7
  TOP w0.102: J22.G18 v3(84,163.25) ; 119.82,75.14 v2(120.31,75.63)
  16_SIG5 w0.075: v2(120.31,75.63) 120.71,76.03 120.71,81.29 120.72,81.31 120.72,82.79 120.71,82.81 120.71,86.17 120.72,86.19 120.72,88.23 120.69,88.27 120.69,88.29
  16_SIG5 w0.087: v3(84,163.25) 83.24,164.01 82.35,164.01 81.99,163.65 81.99,154.26 81.75,154.01 67.42,154.01 66.99,153.58 66.99,152.94 67.58,152.34 69.07,152.34 69.2,152.21 69.2,149.06 70.46,147.8 74.66,147.8 74.75,147.71 74.75,146.9 75,146.65 75.58,146.65 75.83,146.9 75.83,147.71 75.91,147.8 76.26,147.8 76.35,147.71 76.35,146.9 76.6,146.65 77.18,146.65 77.43,146.9 77.43,147.71 77.51,147.8 77.86,147.8 77.95,147.71 77.95,146.9 78.2,146.65 78.78,146.65 79.03,146.9 79.03,147.71 79.11,147.8 79.46,147.8 79.55,147.71 79.55,146.9 79.8,146.65 80.38,146.65 80.63,146.9 80.63,147.71 80.71,147.8 81.06,147.8 81.15,147.71 81.15,146.9 81.4,146.65 81.98,146.65 82.23,146.9 82.23,147.71 82.31,147.8 82.66,147.8 82.75,147.71 82.75,146.9 83,146.65 83.58,146.65 83.83,146.9 83.83,147.71 83.91,147.8 84.76,147.8 87.09,145.48 91.41,145.48 91.91,144.98 92.26,144.98 92.83,145.55 92.96,145.55 93.14,145.37 93.14,145.25 92.57,144.67 92.57,144.32 97.77,139.11 101.89,139.11 105.12,135.88 107.71,135.88 115.41,128.18 115.41,126.72 116.4,125.73 116.4,109.19 117.31,108.29 117.31,102.91 116.78,102.38 116.41,102.38 115.27,101.25 115.27,100.06 113.71,98.5 113.71,96.1 113.15,95.54 113.15,91.89 113.65,91.38 113.65,91.11 112.5,89.95 112.5,89.48 112.87,89.11 113.47,89.11 114.6,90.24 114.79,90.24 115.83,89.2 117.89,89.2 118.03,89.07 118.03,88.34 118.32,88.05 118.81,88.05 119.11,88.34 119.11,89.07 119.24,89.2 119.9,89.2 120.69,88.41 120.69,88.29
FMCP_HSPC_LA17_CC_N: length 154.7
  TOP w0.102: 107.02,75.14 v2(106.53,75.63) ; J22.D21 v3(80.25,159.5)
  18_SIG6 w0.075: 113.8,88.15 113.8,88.14 113.83,88.11 113.83,85.96 113.8,85.93 113.8,83.93 113.83,83.9 113.83,81.36 113.82,81.34 113.82,79.41 113.59,79.18 110.23,79.18 109.88,78.83 109.88,76.45 109.65,76.22 107.13,76.22 106.9,76 106.9,75.69 106.84,75.63 v2(106.53,75.63)
  18_SIG6 w0.087: 113.8,88.15 113.8,88.68 114.11,88.99 114.11,95.04 115.34,96.27 115.34,100.47 115.78,100.9 115.78,104.12 116.37,104.71 116.37,121.38 114.8,122.95 114.8,123.86 113.34,125.33 112.84,125.33 98.28,139.88 95.23,139.88 92.77,142.34 75.01,142.34 72.8,140.13 70.09,140.13 69.79,140.43 69.79,141.11 69.7,141.2 69.35,141.2 69.27,141.11 69.27,140.1 69.02,139.85 68.44,139.85 68.19,140.1 68.19,141.11 68.1,141.2 67.75,141.2 67.67,141.11 67.67,140.1 67.42,139.85 67.01,139.85 66.34,139.18 65.86,139.18 65.65,139.39 65.65,141.09 66.25,141.69 66.25,142.34 66.5,142.59 66.94,142.59 67.03,142.68 67.03,143.03 66.94,143.11 66.5,143.11 66.25,143.36 66.25,148.69 69.49,151.93 69.49,156.07 69.93,156.51 80.53,156.51 80.74,156.73 80.74,159.37 80.61,159.5 v3(80.25,159.5)
FMCP_HSPC_LA17_CC_P: length 154.6
  TOP w0.102: 108.01,75.14 v2(107.52,75.63) ; J22.D20 v3(81.5,159.5)
  18_SIG6 w0.075: v2(107.52,75.63) 107.21,75.63 107.1,75.74 107.1,75.91 107.21,76.03 109.73,76.03 110.07,76.37 110.07,78.75 110.31,78.98 113.67,78.98 114.01,79.33 114.01,81.26 114.03,81.28 114.03,83.98 113.99,84.01 113.99,85.85 114.03,85.88 114.03,88.09 114.08,88.14 114.08,88.15
  18_SIG6 w0.087: v3(81.5,159.5) 81.01,159.01 81.01,156.61 80.64,156.24 70.05,156.24 69.76,155.95 69.76,151.81 66.53,148.57 66.53,143.48 66.61,143.39 67.05,143.39 67.3,143.14 67.3,142.56 67.05,142.31 66.61,142.31 66.53,142.23 66.53,141.58 65.92,140.98 65.92,139.5 65.97,139.45 66.22,139.45 66.9,140.12 67.3,140.12 67.39,140.21 67.39,141.23 67.64,141.48 68.22,141.48 68.47,141.23 68.47,140.21 68.55,140.12 68.9,140.12 68.99,140.21 68.99,141.23 69.24,141.48 69.82,141.48 70.07,141.23 70.07,140.54 70.2,140.41 72.68,140.41 74.89,142.62 92.89,142.62 95.35,140.16 98.39,140.16 112.95,125.6 113.45,125.6 115.08,123.97 115.08,123.06 116.64,121.5 116.64,104.6 116.05,104.01 116.05,100.79 115.62,100.35 115.62,96.16 114.39,94.93 114.39,88.88 114.08,88.57 114.08,88.15
FMCP_HSPC_LA18_CC_N: length 157.5
  TOP w0.102: J22.C23 v3(77.75,158.25)
  TOP w0.15: 107.02,72.19 v2(106.53,72.68)
  18_SIG6 w0.075: 112.74,88.07 112.74,88.06 112.81,87.99 112.81,86.17 112.85,86.13 112.85,85.71 112.85,85.71 112.85,83.42 112.81,83.37 112.81,82.68 112.81,82.68 112.81,81.7 112.81,80.37 112.6,80.16 109.21,80.16 108.9,79.85 108.9,77.44 108.66,77.21 106.29,77.21 105.94,76.86 105.94,75.33 106.25,75.03 106.74,75.03 106.93,74.85 106.93,72.75 106.85,72.68 v2(106.53,72.68)
  18_SIG6 w0.087: v3(77.75,158.25) 78.11,158.25 78.24,158.12 78.24,157.9 78.1,157.76 68.68,157.76 68.24,157.32 68.24,152.88 65.12,149.76 65.12,142.09 64.67,141.64 64.67,138.66 65.21,138.12 66.61,138.12 67.44,138.95 70.33,138.95 70.58,139.2 73.15,139.2 75.38,141.43 92.46,141.43 94.87,139.02 97.92,139.02 112.59,124.35 112.94,124.35 113.4,123.89 113.4,122.95 115.43,120.92 115.43,119.68 115.34,119.6 114.85,119.6 114.6,119.35 114.6,118.77 114.85,118.52 115.34,118.52 115.43,118.43 115.43,118.08 115.34,118 114.85,118 114.6,117.75 114.6,117.17 114.85,116.92 115.34,116.92 115.43,116.83 115.43,116.48 115.34,116.4 114.85,116.4 114.6,116.15 114.6,115.57 114.85,115.32 115.34,115.32 115.43,115.23 115.43,114.88 115.34,114.8 114.85,114.8 114.6,114.55 114.6,113.97 114.85,113.72 115.34,113.72 115.43,113.63 115.43,113.28 115.34,113.2 114.85,113.2 114.6,112.95 114.6,112.37 114.85,112.12 115.34,112.12 115.43,112.03 115.43,109.37 114.41,108.34 114.41,106.45 114.78,106.09 114.78,101.38 113.74,100.35 113.74,96.15 113.04,95.45 113.04,89.01 112.74,88.71 112.74,88.07
FMCP_HSPC_LA18_CC_P: length 157.4
  TOP w0.102: J22.C22 v3(79,158.25)
  TOP w0.15: 108.01,72.19 v2(107.52,72.68)
  18_SIG6 w0.075: v2(107.52,72.68) 107.2,72.68 107.12,72.75 107.12,74.93 106.83,75.22 106.33,75.22 106.14,75.41 106.14,76.78 106.37,77.01 108.75,77.01 109.09,77.36 109.09,79.76 109.29,79.96 112.68,79.96 113.01,80.29 113.01,82.76 113,82.77 113,83.29 113.05,83.33 113.05,85.63 113.05,85.63 113.05,86.21 113.01,86.25 113.01,88.05 113.02,88.06 113.02,88.07
  18_SIG6 w0.087: v3(79,158.25) 78.68,158.25 78.51,158.09 78.51,157.79 78.22,157.49 68.8,157.49 68.51,157.2 68.51,152.76 65.4,149.65 65.4,141.98 64.95,141.53 64.95,138.78 65.33,138.4 66.5,138.4 67.33,139.23 70.22,139.23 70.47,139.48 73.04,139.48 75.27,141.71 92.57,141.71 94.99,139.29 98.03,139.29 112.7,124.62 113.05,124.62 113.67,124 113.67,123.07 115.71,121.04 115.71,119.57 115.46,119.32 114.96,119.32 114.88,119.23 114.88,118.88 114.96,118.8 115.46,118.8 115.71,118.55 115.71,117.97 115.46,117.72 114.96,117.72 114.88,117.63 114.88,117.28 114.96,117.2 115.46,117.2 115.71,116.95 115.71,116.37 115.46,116.12 114.96,116.12 114.88,116.03 114.88,115.68 114.96,115.6 115.46,115.6 115.71,115.35 115.71,114.77 115.46,114.52 114.96,114.52 114.88,114.43 114.88,114.08 114.96,114 115.46,114 115.71,113.75 115.71,113.17 115.46,112.92 114.96,112.92 114.88,112.83 114.88,112.48 114.96,112.4 115.46,112.4 115.71,112.15 115.71,109.25 114.68,108.23 114.68,106.57 115.05,106.2 115.05,101.27 114.02,100.24 114.02,96.04 113.31,95.34 113.31,88.89 113.02,88.6 113.02,88.07
FMCP_HSPC_LA19_N: length 158.5
  TOP w0.102: 105.06,74.16 v2(104.56,74.65) ; J22.H23 v3(77.75,164.5)
  16_SIG5 w0.075: 107.89,87.95 107.89,87.93 107.93,87.89 107.93,86.33 107.91,86.31 107.91,84.82 107.89,84.8 107.89,83.19 107.91,83.17 107.91,75.47 107.68,75.24 105.26,75.24 104.96,74.93 104.96,74.72 104.88,74.65 v2(104.56,74.65)
  16_SIG5 w0.087: v3(77.75,164.5) 78.08,164.5 78.24,164.35 78.24,158.02 77.98,157.76 63.68,157.76 63.24,157.32 63.24,150.82 66.25,147.81 66.25,146.19 68.41,144.03 84.14,144.03 86.21,141.95 86.56,141.95 87.16,142.55 87.28,142.55 87.53,142.3 87.53,142.18 86.93,141.58 86.93,141.23 87.34,140.82 87.69,140.82 88.29,141.42 88.42,141.42 88.66,141.17 88.66,141.05 88.06,140.45 88.06,140.1 88.47,139.69 88.82,139.69 89.42,140.29 89.55,140.29 89.79,140.04 89.79,139.92 89.19,139.32 89.19,138.97 89.6,138.56 89.95,138.56 90.55,139.16 90.68,139.16 90.93,138.91 90.93,138.79 90.33,138.19 90.33,137.83 90.73,137.43 91.09,137.43 91.69,138.03 91.81,138.03 92.06,137.78 92.06,137.65 91.46,137.05 91.46,136.7 91.73,136.43 100.62,136.43 103.8,133.25 106.42,133.25 112.08,127.59 112.08,123.18 113.58,121.69 113.58,110.99 113.26,110.68 113.26,104.35 110.71,101.8 110.71,99.8 109.17,98.26 109.17,90.73 107.89,89.45 107.89,87.95
FMCP_HSPC_LA19_P: length 158.3
  TOP w0.102: J22.H22 v3(79,164.5) ; 106.04,74.16 v2(105.55,74.65)
  16_SIG5 w0.075: v2(105.55,74.65) 105.23,74.65 105.15,74.72 105.15,74.85 105.35,75.04 107.76,75.04 108.11,75.39 108.11,83.25 108.09,83.27 108.09,84.72 108.11,84.74 108.11,86.23 108.12,86.25 108.12,87.89 108.16,87.93 108.16,87.95
  16_SIG5 w0.087: 108.16,87.95 108.16,89.34 109.45,90.62 109.45,98.15 110.99,99.69 110.99,101.68 113.54,104.23 113.54,110.56 113.85,110.88 113.85,121.8 112.36,123.29 112.36,127.7 106.54,133.53 103.91,133.53 100.74,136.7 91.85,136.7 91.73,136.82 91.73,136.94 92.33,137.54 92.33,137.89 91.92,138.3 91.57,138.3 90.97,137.7 90.85,137.7 90.6,137.95 90.6,138.07 91.2,138.67 91.2,139.02 90.79,139.43 90.44,139.43 89.84,138.83 89.72,138.83 89.47,139.08 89.47,139.2 90.07,139.8 90.07,140.16 89.66,140.56 89.31,140.56 88.71,139.96 88.59,139.96 88.34,140.21 88.34,140.34 88.94,140.94 88.94,141.29 88.53,141.7 88.18,141.7 87.58,141.1 87.45,141.1 87.21,141.34 87.21,141.47 87.81,142.07 87.81,142.42 87.4,142.83 87.05,142.83 86.45,142.23 86.32,142.23 84.25,144.3 68.53,144.3 66.53,146.3 66.53,147.93 63.51,150.94 63.51,157.2 63.8,157.49 78.1,157.49 78.51,157.9 78.51,164.01 v3(79,164.5)
FMCP_HSPC_LA20_N: length 159.6
  TOP w0.102: J22.G22 v3(79,163.25) ; 105.06,73.17 v2(104.56,73.66)
  16_SIG5 w0.075: 108.86,87.93 108.86,87.91 108.9,87.87 108.9,87.75 108.88,87.73 108.88,86.18 108.9,86.16 108.9,84.72 108.91,84.7 108.91,83.32 108.88,83.29 108.88,81.24 108.9,81.22 108.9,74.44 108.71,74.25 105.23,74.25 104.96,73.98 104.96,73.74 104.88,73.66 v2(104.56,73.66)
  16_SIG5 w0.087: v3(79,163.25) 79.49,162.76 79.49,156.74 79.26,156.51 64.93,156.51 64.49,156.07 64.49,152.82 67.28,150.04 67.28,146.65 69.03,144.9 84.9,144.9 86.2,143.6 89.36,143.6 89.66,143.3 89.66,143.18 89.03,142.55 89.03,142.2 89.44,141.79 89.79,141.79 90.42,142.42 90.54,142.42 90.79,142.17 90.79,142.05 90.16,141.42 90.16,141.06 90.57,140.66 90.92,140.66 91.55,141.29 91.67,141.29 91.92,141.04 91.92,140.91 91.29,140.28 91.29,139.93 91.7,139.52 92.05,139.52 92.68,140.15 92.81,140.15 93.05,139.91 93.05,139.78 92.42,139.15 92.42,138.8 92.83,138.39 93.18,138.39 93.81,139.02 93.94,139.02 94.19,138.78 94.19,138.65 93.56,138.02 93.56,137.67 93.81,137.41 94.47,137.41 94.95,137.89 95.07,137.89 95.58,137.38 101,137.38 104.25,134.14 106.84,134.14 113.4,127.58 113.4,123.34 114.58,122.16 114.58,108.86 114.36,108.65 114.36,106.45 114.83,105.99 114.83,104.52 112.23,101.92 112.23,99.86 110.67,98.31 110.67,90.64 108.86,88.83 108.86,87.93
FMCP_HSPC_LA20_P: length 159.8
  TOP w0.102: 106.04,73.17 v2(105.55,73.66) ; J22.G21 v3(80.25,163.25)
  16_SIG5 w0.075: v2(105.55,73.66) 105.23,73.66 105.15,73.74 105.15,73.9 105.31,74.06 108.79,74.06 109.09,74.36 109.09,81.3 109.07,81.32 109.07,83.21 109.11,83.24 109.11,84.78 109.09,84.8 109.09,86.24 109.07,86.26 109.07,87.65 109.09,87.67 109.09,87.87 109.13,87.91 109.13,87.93
  16_SIG5 w0.087: 109.13,87.93 109.13,88.71 110.94,90.53 110.94,98.19 112.5,99.75 112.5,101.81 115.1,104.41 115.1,106.1 114.63,106.57 114.63,108.53 114.85,108.75 114.85,122.27 113.67,123.45 113.67,127.69 106.95,134.41 104.36,134.41 101.12,137.66 95.69,137.66 95.18,138.17 94.83,138.17 94.35,137.69 93.92,137.69 93.83,137.78 93.83,137.91 94.46,138.54 94.46,138.89 94.05,139.3 93.7,139.3 93.07,138.67 92.95,138.67 92.7,138.92 92.7,139.04 93.33,139.67 93.33,140.02 92.92,140.43 92.57,140.43 91.94,139.8 91.81,139.8 91.57,140.05 91.57,140.17 92.2,140.8 92.2,141.15 91.79,141.56 91.44,141.56 90.81,140.93 90.68,140.93 90.44,141.18 90.44,141.3 91.07,141.93 91.07,142.28 90.66,142.69 90.31,142.69 89.68,142.06 89.55,142.06 89.3,142.31 89.3,142.43 89.93,143.06 89.93,143.42 89.47,143.88 86.31,143.88 85.01,145.18 69.14,145.18 67.55,146.77 67.55,150.15 64.76,152.94 64.76,155.95 65.05,156.24 79.37,156.24 79.76,156.63 79.76,163.05 79.96,163.25 v3(80.25,163.25)
FMCP_HSPC_LA21_N: length 156.4
  TOP w0.102: J22.H26 v3(74,164.5) ; 104.07,76.12 v2(103.58,76.62)
  16_SIG5 w0.075: v2(103.58,76.62) 103.9,76.62 103.97,76.69 103.97,76.88 104.3,77.21 105.71,77.21 105.94,77.44 105.94,83.09 105.92,83.11 105.92,84.79 105.94,84.81 105.94,86.27 105.96,86.29 105.96,87.91 105.92,87.95 105.92,87.97
  16_SIG5 w0.087: 105.92,87.97 105.92,90.1 106.14,90.32 106.14,98.04 107.72,99.62 107.72,101.27 110.08,103.62 110.08,106.34 111,107.26 111,121.34 110.15,122.19 110.15,126.86 105.49,131.53 102.92,131.53 101.8,132.65 99.78,132.65 99.09,133.33 97.31,133.33 96.15,134.5 91.06,134.5 85.07,140.5 75.23,140.5 74.99,140.74 74.99,141.88 74.9,141.97 74.55,141.97 74.46,141.88 74.46,140.74 74.21,140.5 73.63,140.5 73.39,140.74 73.39,141.88 73.3,141.97 72.95,141.97 72.86,141.88 72.86,140.74 72.61,140.5 72.03,140.5 71.79,140.74 71.79,141.88 71.7,141.97 71.35,141.97 71.26,141.88 71.26,140.74 71.01,140.5 70.43,140.5 70.19,140.74 70.19,141.88 70.1,141.97 69.75,141.97 69.66,141.88 69.66,140.74 69.41,140.5 67.94,140.5 64.3,144.14 64.3,146.89 62.83,148.35 61.91,148.35 60.38,149.89 60.38,152.25 60.74,152.61 60.74,159.85 61.15,160.26 74.22,160.26 74.49,160.53 74.49,164.64 74.38,164.75 74.25,164.75 v3(74,164.5)
FMCP_HSPC_LA21_P: length 155.8
  TOP w0.102: J22.H25 v3(75.25,164.5) ; 105.06,76.12 v2(104.56,76.62)
  16_SIG5 w0.075: 106.2,87.97 106.2,87.95 106.16,87.91 106.16,86.21 106.14,86.19 106.14,84.73 106.12,84.71 106.12,83.19 106.14,83.17 106.14,77.36 105.79,77.01 104.38,77.01 104.17,76.8 104.17,76.69 104.24,76.62 v2(104.56,76.62)
  16_SIG5 w0.087: 106.2,87.97 106.2,89.99 106.41,90.21 106.41,97.93 108,99.51 108,101.16 110.35,103.51 110.35,106.23 111.27,107.15 111.27,121.45 110.42,122.3 110.42,126.97 105.6,131.8 103.03,131.8 101.91,132.93 99.89,132.93 99.21,133.61 97.43,133.61 96.26,134.77 91.18,134.77 85.18,140.77 75.35,140.77 75.26,140.86 75.26,142 75.01,142.25 74.43,142.25 74.19,142 74.19,140.86 74.1,140.77 73.75,140.77 73.66,140.86 73.66,142 73.41,142.25 72.83,142.25 72.59,142 72.59,140.86 72.5,140.77 72.15,140.77 72.06,140.86 72.06,142 71.81,142.25 71.23,142.25 70.99,142 70.99,140.86 70.9,140.77 70.55,140.77 70.46,140.86 70.46,142 70.21,142.25 69.63,142.25 69.39,142 69.39,140.86 69.3,140.77 68.06,140.77 64.58,144.25 64.58,147 62.95,148.63 62.02,148.63 60.65,150 60.65,152.14 61.01,152.5 61.01,159.74 61.26,159.99 74.34,159.99 74.76,160.41 74.76,164.01 v3(75.25,164.5)
FMCP_HSPC_LA22_N: length 156.3
  TOP w0.102: 106.04,76.12 v2(105.55,76.62) ; J22.G25 v3(75.25,163.25)
  16_SIG5 w0.075: 106.87,87.98 106.87,87.96 106.91,87.92 106.91,86.16 106.93,86.14 106.93,84.72 106.95,84.7 106.95,83.31 106.93,83.29 106.93,76.36 106.79,76.22 105.85,76.22 105.55,76.52 v2(105.55,76.62)
  16_SIG5 w0.087: 106.87,87.98 106.87,89.67 107.1,89.9 107.1,91.45 107.39,91.74 108.04,91.74 108.17,91.88 108.17,92.41 108.04,92.54 107.39,92.54 107.1,92.83 107.1,95.57 107.77,96.24 107.77,98.31 109.19,99.73 109.19,101.5 111.5,103.8 111.5,106.13 111.91,106.55 111.91,121.72 111.03,122.61 111.03,127.32 105.96,132.39 103.41,132.39 102.23,133.58 101.04,133.58 100.28,134.33 98.08,134.33 96.97,135.45 91.41,135.45 83.71,143.15 82.26,143.15 82.17,143.06 82.17,141.82 81.92,141.58 81.34,141.58 81.1,141.82 81.1,143.06 81.01,143.15 80.66,143.15 80.57,143.06 80.57,141.82 80.32,141.58 79.74,141.58 79.5,141.82 79.5,143.06 79.41,143.15 79.06,143.15 78.97,143.06 78.97,141.82 78.72,141.58 78.14,141.58 77.9,141.82 77.9,143.06 77.81,143.15 77.46,143.15 77.37,143.06 77.37,141.82 77.12,141.58 76.54,141.58 76.3,141.82 76.3,143.06 76.21,143.15 67.12,143.15 65.28,144.99 65.28,147.5 62.62,150.16 62.03,150.16 61.6,150.59 61.6,151.66 61.99,152.05 61.99,158.6 62.4,159.01 75.5,159.01 75.74,159.25 75.74,162.76 v3(75.25,163.25)
FMCP_HSPC_LA22_P: length 157
  TOP w0.102: 106.04,75.14 v2(105.55,75.63) ; J22.G24 v3(76.5,163.25)
  16_SIG5 w0.075: v2(105.55,75.63) 105.55,75.95 105.62,76.03 106.87,76.03 107.12,76.28 107.12,83.21 107.14,83.23 107.14,84.78 107.12,84.8 107.12,86.22 107.1,86.24 107.1,87.92 107.14,87.96 107.14,87.98
  16_SIG5 w0.087: v3(76.5,163.25) 76.1,163.25 76.01,163.16 76.01,159.14 75.61,158.74 62.51,158.74 62.26,158.49 62.26,151.94 61.88,151.55 61.88,150.71 62.15,150.43 62.73,150.43 65.55,147.62 65.55,145.11 67.23,143.43 76.32,143.43 76.57,143.18 76.57,141.94 76.66,141.85 77.01,141.85 77.1,141.94 77.1,143.18 77.34,143.43 77.92,143.43 78.17,143.18 78.17,141.94 78.26,141.85 78.61,141.85 78.7,141.94 78.7,143.18 78.94,143.43 79.52,143.43 79.77,143.18 79.77,141.94 79.86,141.85 80.21,141.85 80.3,141.94 80.3,143.18 80.54,143.43 81.12,143.43 81.37,143.18 81.37,141.94 81.46,141.85 81.81,141.85 81.9,141.94 81.9,143.18 82.14,143.43 83.83,143.43 91.53,135.72 97.08,135.72 98.19,134.61 100.39,134.61 101.15,133.85 102.34,133.85 103.53,132.66 106.08,132.66 111.3,127.44 111.3,122.73 112.19,121.84 112.19,106.44 111.77,106.02 111.77,103.69 109.46,101.38 109.46,99.61 108.05,98.2 108.05,96.12 107.38,95.45 107.38,92.95 107.51,92.81 108.15,92.81 108.45,92.52 108.45,91.76 108.15,91.47 107.51,91.47 107.38,91.34 107.38,89.79 107.14,89.56 107.14,87.98
FMCP_HSPC_LA23_N: length 160.5
  TOP w0.102: v2(111.45,73.66) 111.95,73.17 ; J22.D24 v3(76.5,159.5)
  14_SIG4 w0.075: 118.86,89.33 118.85,89.32 118.79,89.32 118.5,89.03 118.21,89.03 116.89,87.71 116.89,73.69 116.28,73.07 112.18,73.07 111.85,73.4 111.85,73.59 111.77,73.66 v2(111.45,73.66)
  14_SIG4 w0.087: 118.86,89.33 121.45,91.92 126.8,97.27 126.8,105.74 127.94,106.87 127.94,110.83 127.12,111.65 127.12,119.55 127.96,120.38 127.96,123.37 127.69,123.64 126.81,123.64 126.71,123.74 126.71,124.16 126.81,124.26 127.69,124.26 127.96,124.52 127.96,125.18 127.69,125.45 126.81,125.45 126.71,125.55 126.71,125.97 126.81,126.07 127.69,126.07 127.96,126.34 127.96,127.08 127.19,127.85 127.19,128.37 126.85,128.71 126.85,131.25 127.84,132.24 127.84,140.7 123.61,144.93 118.13,144.93 113.78,149.28 111.66,149.28 111.57,149.36 111.57,150.13 111.32,150.38 110.83,150.38 110.58,150.13 110.58,149.36 110.49,149.28 110.23,149.28 110.14,149.36 110.14,150.13 109.89,150.38 109.4,150.38 109.16,150.13 109.16,149.36 109.07,149.28 108.81,149.28 108.72,149.36 108.72,150.13 108.47,150.38 107.98,150.38 107.73,150.13 107.73,149.36 107.64,149.28 107.38,149.28 107.29,149.36 107.29,150.13 107.04,150.38 106.55,150.38 106.31,150.13 106.31,149.36 106.22,149.28 105.96,149.28 105.87,149.36 105.87,150.13 105.62,150.38 105.13,150.38 104.88,150.13 104.88,149.36 104.79,149.28 104.53,149.28 104.44,149.36 104.44,150.13 104.19,150.38 103.7,150.38 103.46,150.13 103.46,149.36 103.37,149.28 84.59,149.28 82.26,151.6 82.26,159.82 81.82,160.26 77.26,160.26 v3(76.5,159.5)
